# Altium PCB display.PcbDoc (part 2 of 5)
Units mm, origin at the board's own origin, x right, y up, seen from the top; angles counter-clockwise.
Board outline 150 x 85 mm, 4 copper layers (Component Side, Inner, GND1, Bottom Layer), stack 1.669 mm thick; 347 components, 347 nets, 1334 pads, 795 vias.
Unrouted connection lines stored in the file: 15.
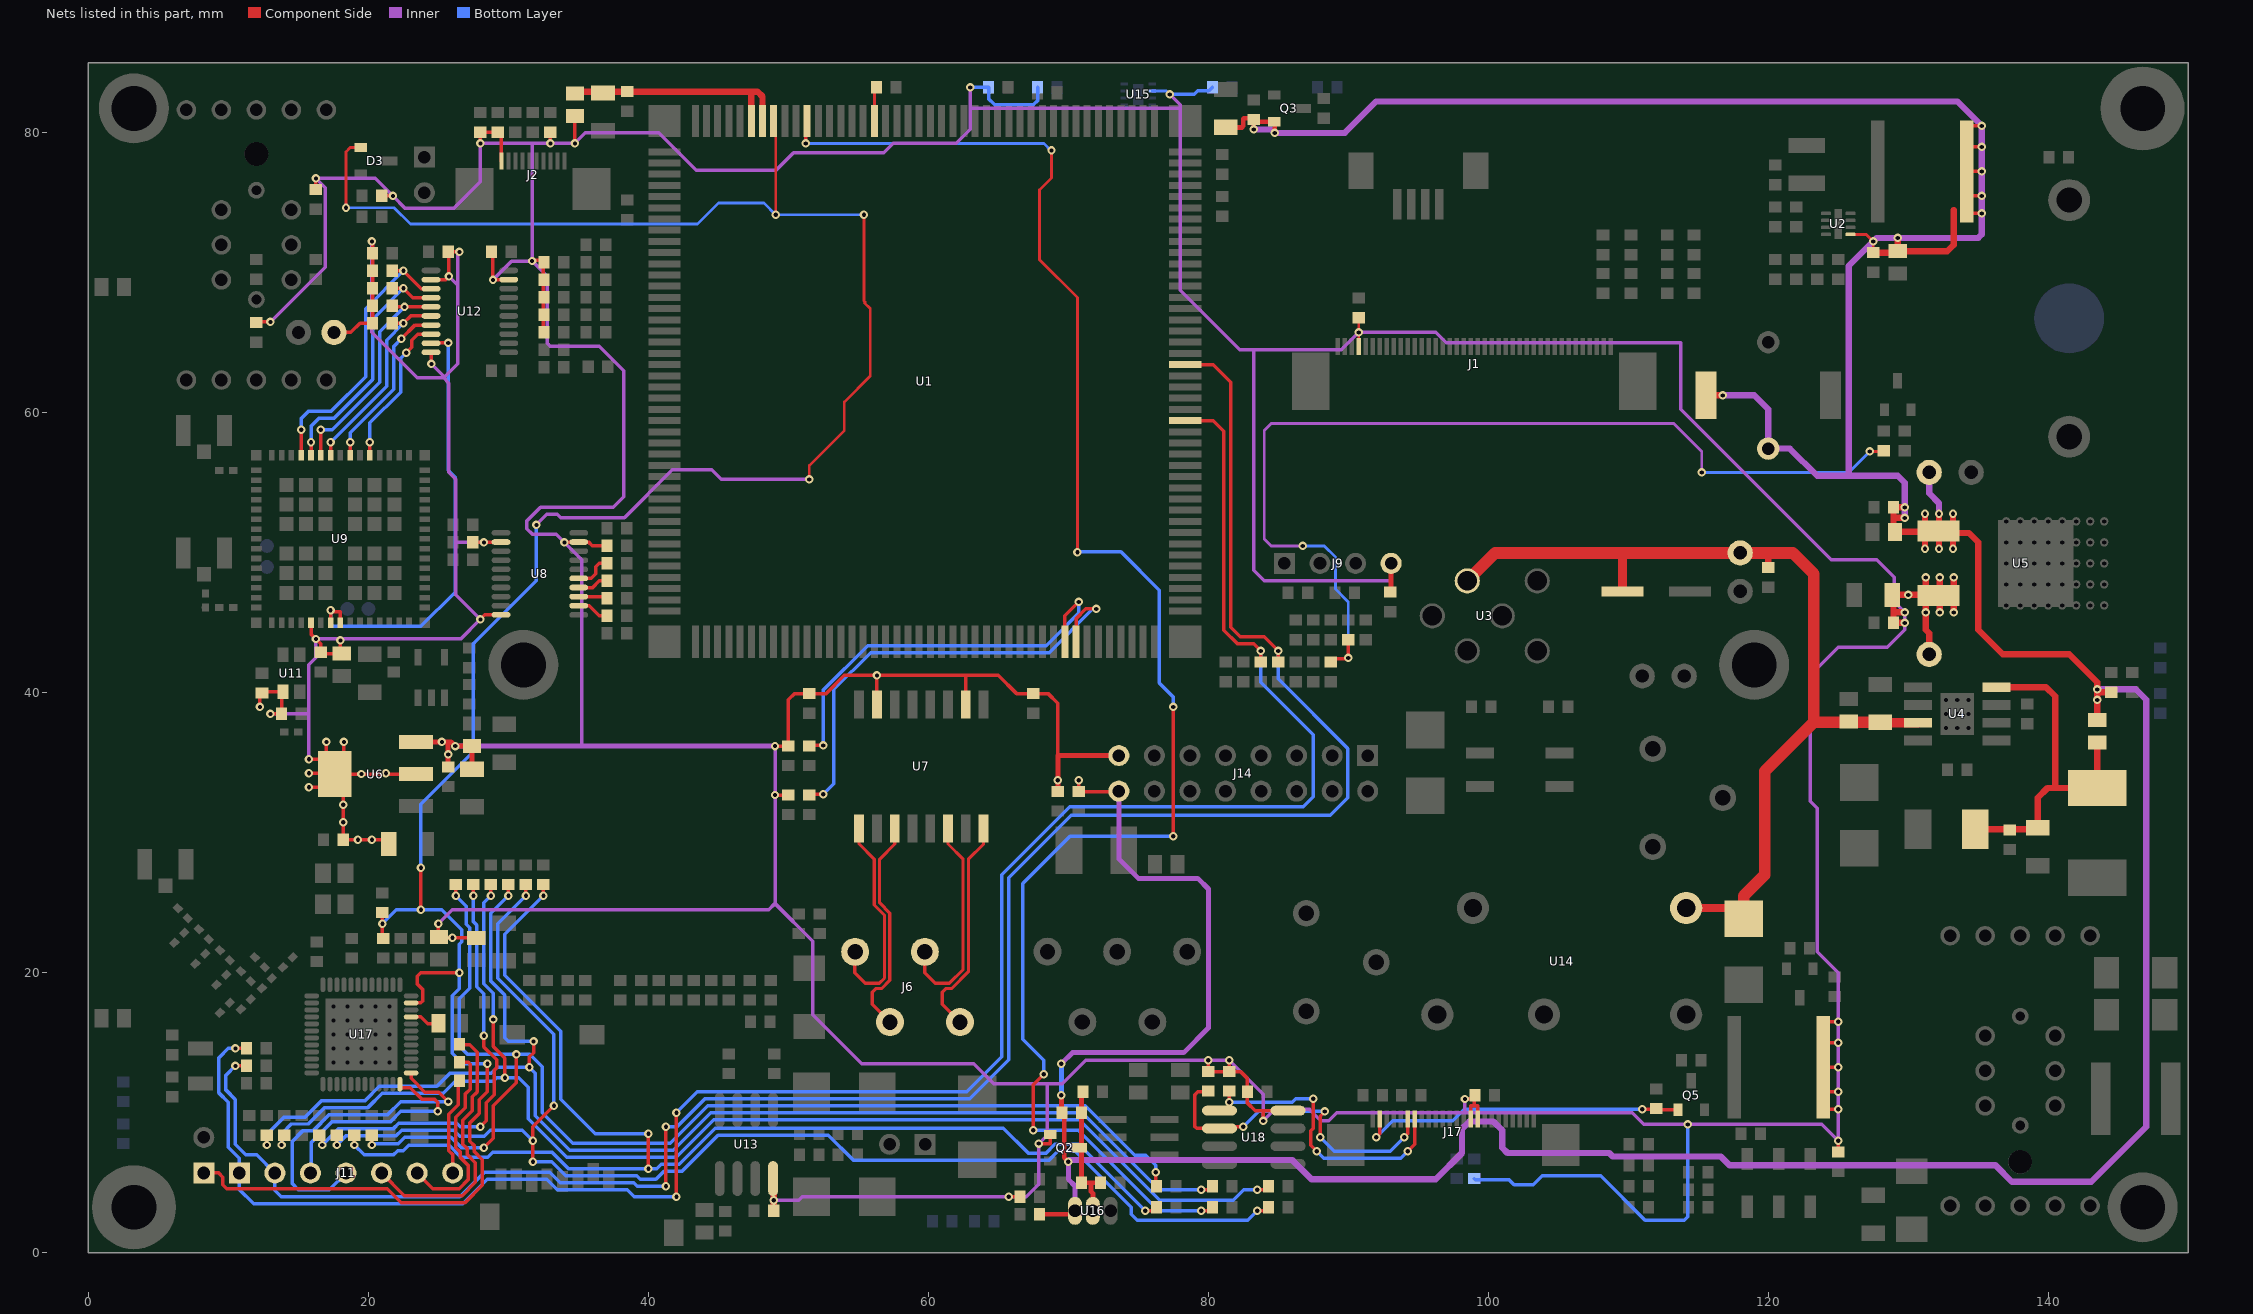
[diagram p4: the nets of this part, all layers, seen from the top]

## Footprints (in the part's own frame and the unit in brackets; to place one, negate y for a bottom-side part, rotate by r counter-clockwise, add the part's x,y. Pads: shape width x height; smd on the part's side, far side on the other; paste and mask are expansions set on the pad) (continued)
PQFN50P700X700X100-48N [mm] "PQFN, 48-Leads, Body 7,00x7,00mm, Pitch 0,50mm, IPC Medium Density"
  oval 1.05x0.35 smd: 1(-3.55,2.75) 2(-3.55,2.25) 3(-3.55,1.75) 4(-3.55,1.25) 5(-3.55,0.75) 6(-3.55,0.25) 7(-3.55,-0.25) 8(-3.55,-0.75) 9(-3.55,-1.25) 10(-3.55,-1.75) 11(-3.55,-2.25) 12(-3.55,-2.75) 25(3.55,-2.75) 26(3.55,-2.25) 27(3.55,-1.75) 28(3.55,-1.25) 29(3.55,-0.75) 30(3.55,-0.25) 31(3.55,0.25) 32(3.55,0.75) 33(3.55,1.25) 34(3.55,1.75) 35(3.55,2.25) 36(3.55,2.75)
  oval 0.35x1.05 smd: 13(-2.75,-3.55) 14(-2.25,-3.55) 15(-1.75,-3.55) 16(-1.25,-3.55) 17(-0.75,-3.55) 18(-0.25,-3.55) 19(0.25,-3.55) 20(0.75,-3.55) 21(1.25,-3.55) 22(1.75,-3.55) 23(2.25,-3.55) 24(2.75,-3.55) 37(2.75,3.55) 38(2.25,3.55) 39(1.75,3.55) 40(1.25,3.55) 41(0.75,3.55) 42(0.25,3.55) 43(-0.25,3.55) 44(-0.75,3.55) 45(-1.25,3.55) 46(-1.75,3.55) 47(-2.25,3.55) 48(-2.75,3.55)
  round 0.6 hole 0.3 mask-10: 49(-2,-2) 49(-2,-1) 49(-2,0) 49(-2,1) 49(-2,2) 49(-1,-2) 49(-1,-1) 49(-1,0) 49(-1,1) 49(-1,2) 49(0,-2) 49(0,-1) 49(0,0) 49(0,1) 49(0,2) 49(1,-2) 49(1,-1) 49(1,0) 49(1,1) 49(1,2) 49(2,-2) 49(2,-1) 49(2,0) 49(2,1) 49(2,2)
  rect 5.15x5.15 smd: 49(0,0)
  silkscreen extent -4.35,-3.57 3.57,3.58, body extent -3.58,-3.57 3.57,3.58, height 1
QFN_SFH7771 [mm]
  rect 0.55x0.2 smd: 1(-1,0.75) 2(-1,0.25) 3(-1,-0.25) 4(-1,-0.75) 5(1,-0.75) 6(1,-0.25) 7(1,0.25) 8(1,0.75)
  rect 0.75x1.5 smd: 9(0,0)
  silkscreen extent -1.6,-1.1 0.5,1.1, body extent -1.3,-0.9 1.3,0.9, height 1.1
RELAYS_SPDT_THD_20x10MM [mm]
  round 2.3 hole 1.3: COM(1.27,3.81) NC(6.35,-3.81) NO(8.89,3.81) T1(-8.89,3.81) T2(-8.89,-3.81)
  silkscreen extent -10.39,-5.31 10.41,5.31, body extent -10,-5 10,5, height 16
Rotary-push-button-481RV12172100 [mm] "20x20 mm illuminated THT Rotary Push button Switch"
  round 1.4 hole 0.9: C(-9.65,0) C(9.65,0) P1(-2.5,2.5) P2(0,2.5) P3(2.5,2.5) P4(-2.5,-2.5) P5(0,-2.5) P6(2.5,-2.5) R1(9.65,-2.5) R2(9.65,-5) R3(-9.65,-5) R4(-9.65,-2.5) R5(-9.65,2.5) R6(-9.65,5) R7(9.65,5) R8(9.65,2.5)
  round 1.2 hole 0.7: L1(-3.9,0) L2(3.9,0)
  round 1.7 hole 1.7 unplated: M1(6.5,0)
  silkscreen extent -10.8,-10.2 10.9,10.2, body extent -9.87,-10.2 9.88,10.2, height 14.5
SOD-123_K2-A1 [mm] "SOD-123; 2 Leads; Body 2.7 x 1.6 mm, (LxW)"
  rect 1.6x0.8 smd: 1(-1.7,0) 2(1.7,0)
  silkscreen extent -1.45,-0.85 1.45,0.85, body extent -1.85,-0.8 1.85,0.8, height 1.27
SOIC8 [mm] "SOIC, 8-Leads, Body 4.9x3.8mm, Pitch 1.27mm, IPC Low Density"
  oval 2.5x0.7 smd: 1(-2.45,1.905) 2(-2.45,0.635) 3(-2.45,-0.635) 4(-2.45,-1.905) 5(2.45,-1.905) 6(2.45,-0.635) 7(2.45,0.635) 8(2.45,1.905)
  silkscreen extent -0.8,-2.5 0.8,2.5, body extent -2,-2.5 2,2.5, height 1.75
SOIC8_PAD [mm] "SOIC, 8-Leads, Body 4.9x3.8mm, Pitch 1.27mm, IPC Low Density"
  rect 2x0.7 smd mask+0.05: 1(-2.8,1.905) 2(-2.8,0.635) 3(-2.8,-0.635) 4(-2.8,-1.905) 5(2.8,-1.905) 6(2.8,-0.635) 7(2.8,0.635) 8(2.8,1.905)
  round 0.4 / inner round 0.6 / far side round 0.6 hole 0.3 paste-10 mask-10: 9(-0.8,1) 9(-0.8,0) 9(-0.8,-1) 9(0,0) 9(0,1) 9(0,-1) 9(0.8,1) 9(0.8,0) 9(0.8,-1)
  rect 2.4x3 smd: 9(0,0)
  silkscreen extent -1.48,-2.75 1.53,2.8, body extent -2.98,-2.45 2.98,2.45, height 1.54
SOT-23 [mm] "SOT23, 3-Leads, Body 2.9x1.3mm, Pitch 0.95mm, Lead Span 2.5mm, IPC High Density"
  rect 0.9x0.65 smd: 1(-1.038,0.95) 2(-1.038,-0.95)
  rect 1.1x0.65 smd: 3(1.038,0)
  silkscreen extent -0.3,-1.6 0.7,1.6, body extent -1.2,-1.52 1.2,1.52, height 1.22
sot-23 [mm] "SOT23, 3-Leads, Body 2.9x1.3mm, Pitch 0.95mm, Lead Span 2.5mm, IPC High Density"
  rect 0.9x0.65 smd: 1(-1.038,0.95) 2(-1.038,-0.95)
  rect 1.1x0.65 smd: 3(1.038,0)
  silkscreen extent -0.3,-1.6 0.7,1.6, body extent -1.2,-1.52 1.2,1.52, height 1.22
SOT-23-5 [mm]
  rect 0.5x1.2 smd: 1(-0.95,-1.45) 2(0,-1.45) 3(0.95,-1.45) 4(0.95,1.45) 5(-0.95,1.45)
  silkscreen extent -1.5,-0.6 1.5,0.6, body extent -1.5,-1.5 1.5,1.5, height 1.35
SOT-223 [mm] "SOT223, 4-Leads, Body 6.5x3.5mm, Pitch 2.3mm, Lead Span 7mm, IPC Medium Density"
  rect 2.4x1 smd: 1(-2.9,2.3) 2(-2.9,0) 3(-2.9,-2.3)
  rect 2.4x3.3 smd: 4(2.9,0)
  silkscreen extent -1.25,-3.35 1.25,3.35, body extent -1.85,-3.35 1.85,3.35, height 1.8
TEST_POINT_SMD_D1MM [mm] "Test point D=1MM"
  round 1 smd paste-10: 1(0,0)
TEST_POINT_THD_D1.8MM [mm] "Test point D=1.6MM"
  round 1.8 hole 0.95 paste-10 mask+0.05: 1(0,0)
TO-92 [mm] "TO, Flat Index; 3 In-Line, Axial Leads; Body Dia. 4.5mm; Leads 0.51 x 0.48 mm (max)"
  oval 2x1 hole 0.9: 1(0,-1.27) 2(0,0) 3(0,1.27)
  silkscreen extent -2.48,-2.96 1.5,2.48, body extent -2.48,-2.5 1.5,2.5, height 6.86
TO-252_D2PAK_LARGEPAD [mm] "D2-PAK, 4-Leads, Body 8.8x10.4mm, Pitch 2.54mm, Lead Span 15.1mm, IPC High Density"
  rect 3x1.5 smd: 1(-5.437,2.3) 3(-5.437,-2.3)
  round 0.6 hole 0.3 paste-10 mask-10: 2(-0.612,-3) 2(-0.612,-1.5) 2(-0.612,0) 2(-0.612,1.5) 2(-0.612,3) 2(0.388,-3) 2(0.388,-1.5) 2(0.388,0) 2(0.388,1.5) 2(0.388,3) 2(1.388,-3) 2(1.388,-1.5) 2(1.388,0) 2(1.388,1.5) 2(1.388,3) 2(2.388,-3) 2(2.388,-1.5) 2(2.388,0) 2(2.388,1.5) 2(2.388,3) 2(3.388,-3) 2(3.388,-1.5) 2(3.388,0) 2(3.388,1.5) 2(3.388,3) 2(4.388,-3) 2(4.388,-1.5) 2(4.388,0) 2(4.388,1.5) 2(4.388,3) 2(5.388,-3) 2(5.388,-1.5) 2(5.388,0) 2(5.388,1.5) 2(5.388,3) 2(6.388,-3) 2(6.388,-1.5) 2(6.388,0) 2(6.388,1.5) 2(6.388,3)
  rect 5.4x6.2 smd: 2(1.513,0)
  Component Side region: -1.5,-4.75 8.75,-4.75 8.75,4.75 -1.5,4.75
  silkscreen extent -6.59,-4.2 4.9,4.2, body extent -5.75,-3.27 4.19,3.27, height 2.34
TSOC6 [mm] "TSOC, 6-Leads, Body 3.76x3.94mm, Pitch 1.27mm, Lead Span 0.81mm"
  rect 2x0.53 smd: 1(-1.86,1.27) 2(-1.86,0) 3(-1.86,-1.27) 4(1.86,-1.27) 5(1.86,0) 6(1.86,1.27)
  silkscreen extent -2.77,-2.2 2.2,2.2, body extent -2.22,-2.05 2.22,2.05, height 1.51
TSOP65P640X120-20L [mm] "TSOP, 20-Leads, Body 6,50x4,35mm, Pitch 0,65mm, IPC High Density"
  oval 1.35x0.4 smd: 1(-2.775,2.925) 2(-2.775,2.275) 3(-2.775,1.625) 4(-2.775,0.975) 5(-2.775,0.325) 6(-2.775,-0.325) 7(-2.775,-0.975) 8(-2.775,-1.625) 9(-2.775,-2.275) 10(-2.775,-2.925) 11(2.775,-2.925) 12(2.775,-2.275) 13(2.775,-1.625) 14(2.775,-0.975) 15(2.775,-0.325) 16(2.775,0.325) 17(2.775,0.975) 18(2.775,1.625) 19(2.775,2.275) 20(2.775,2.925)
  silkscreen extent -2.9,-3.3 1.7,3.8, body extent -2.1,-3.3 2.1,3.3, height 1.2
U.FL_COAXIAL_2.6x2.6MM_STRAIGHT_SMD [mm] "SMD, 3-Leads, Body 2.6x2.6mm (HRS-U.FL-R-SMT-1(10)_V)"
  rect 1.05x2.2 smd: 1(-1.475,0) 2(1.475,0)
  rect 1x1.05 smd: 3(0,-1.525)
  silkscreen extent -2.67,-0.12 0.55,1.3, body extent -1.3,-1.3 1.3,1.3, height 1.25
WE-LHMI_5020 [mm] "SMD Inductor, 2-Leads, Body 5.7x 5.2mm"
  rect 1.9x2.8 smd: 1(-2.05,0) 2(2.05,0)
  Keep-Out Layer lines w0.2: -0.75,-3.302 -0.75,3.302 0.75,3.302 0.75,-3.302 -0.75,-3.302
  silkscreen extent -3.55,-2.6 2.85,2.6, body extent -2.85,-2.6 2.85,2.6, height 1.8
WE-TPC-6823-X [mm] "SMD Inductor, 2-Leads, Body 6,8x6,8mm"
  rect 0.95x7.3 smd: 1(-3.175,0) 2(3.175,0)
  Component Side region: -2.7,-3.65 -1.05,-3.65 -1.05,-2.5 -1.45,-2.3 -1.65,-2.15 -1.9,-1.95 -2.2,-1.6 -2.35,-1.35 -2.45,-1.15 -2.65,-0.55 -2.7,0
  Component Side region: 2.7,-3.65 1.05,-3.65 1.05,-2.5 1.35,-2.35 1.7,-2.1 1.95,-1.9 2,-1.85 2.2,-1.6 2.35,-1.35 2.45,-1.15 2.55,-0.9 2.6,-0.7 2.65,-0.5 2.7,0
  Component Side region: 2.7,3.65 1.05,3.65 1.05,2.5 1.35,2.35 1.65,2.15 2,1.85 2.3,1.45 2.55,0.95 2.65,0.55 2.7,0
  Component Side region: -2.7,3.65 -1.05,3.65 -1.05,2.5 -1.45,2.3 -1.6,2.2 -1.9,1.95 -2.2,1.6 -2.4,1.25 -2.55,0.95 -2.6,0.75 -2.65,0.5 -2.7,0
  silkscreen extent -0.45,-3.5 0.45,3.5, body extent -3.4,-3.4 3.4,3.4, height 2.29
WL18XX_E-13.4X13.3-N100_0.75 [mm] "Wireless module texas wl18xx"
  rect 0.75x0.75 smd mask+0.03: 1(-6.025,-5.975) 17(6.025,-5.975) 33(6.025,5.975) 49(-6.025,5.975)
  rect 0.4x0.75 smd mask+0.03: 2(-4.9,-5.975) 3(-4.2,-5.975) 4(-3.5,-5.975) 5(-2.8,-5.975) 6(-2.1,-5.975) 7(-1.4,-5.975) 8(-0.7,-5.975) 9(0,-5.975) 10(0.7,-5.975) 11(1.4,-5.975) 12(2.1,-5.975) 13(2.8,-5.975) 14(3.5,-5.975) 15(4.2,-5.975) 16(4.9,-5.975) 34(4.9,5.975) 35(4.2,5.975) 36(3.5,5.975) 37(2.8,5.975) 38(2.1,5.975) 39(1.4,5.975) 40(0.7,5.975) 41(0,5.975) 42(-0.7,5.975) 43(-1.4,5.975) 44(-2.1,5.975) 45(-2.8,5.975) 46(-3.5,5.975) 47(-4.2,5.975) 48(-4.9,5.975)
  rect 0.75x0.4 smd mask+0.03: 18(6.025,-4.9) 19(6.025,-4.2) 20(6.025,-3.5) 21(6.025,-2.8) 22(6.025,-2.1) 23(6.025,-1.4) 24(6.025,-0.7) 25(6.025,0) 26(6.025,0.7) 27(6.025,1.4) 28(6.025,2.1) 29(6.025,2.8) 30(6.025,3.5) 31(6.025,4.2) 32(6.025,4.9) 50(-6.025,4.9) 51(-6.025,4.2) 52(-6.025,3.5) 53(-6.025,2.8) 54(-6.025,2.1) 55(-6.025,1.4) 56(-6.025,0.7) 57(-6.025,0) 58(-6.025,-0.7) 59(-6.025,-1.4) 60(-6.025,-2.1) 61(-6.025,-2.8) 62(-6.025,-3.5) 63(-6.025,-4.2) 64(-6.025,-4.9)
  rect 1x1 smd mask+0.03: GND(-3.85,3.85) GND(-3.85,-2.45) GND(-3.85,-1.05) GND(-3.85,1.05) GND(-3.85,2.45) GND(-3.85,-3.85) GND(-2.45,2.45) GND(-2.45,3.85) GND(-2.45,-1.05) GND(-2.45,1.05) GND(-2.45,-3.85) GND(-2.45,-2.45) GND(-1.05,3.85) GND(-1.05,2.45) GND(-1.05,1.05) GND(-1.05,-1.05) GND(-1.05,-2.45) GND(-1.05,-3.85) GND(1.05,3.85) GND(1.05,2.45) GND(1.05,1.05) GND(1.05,-1.05) GND(1.05,-2.45) GND(1.05,-3.85) GND(2.45,2.45) GND(2.45,3.85) GND(2.45,-1.05) GND(2.45,1.05) GND(2.45,-3.85) GND(2.45,-2.45) GND(3.85,3.85) GND(3.85,-2.45) GND(3.85,-1.05) GND(3.85,1.05) GND(3.85,2.45) GND(3.85,-3.85)
  silkscreen extent -7.1,-7.05 6.9,6.75, body extent -6.6,-6.55 6.7,6.55, height 2.1

## Part data
C1 C14 C18 C21 C26 C27 C49 C51: library part "Cap Pol1", "Ceramic X5R 25V", Published=8-Jun-2000, Publisher="Altium Limited", Revision="July-2002: Re-released for DXP Platform."
C2 C3 C4 C6 C7 C8 C9 C10 C12 C13 C16 C19 C22 C23 C24 C25 C28 C29 C30 C31 C33 C34 C35 C38 C39 C40 C43 C44 C45 C46 C47 C48 C50 C52 C53 C54 C55 C56 C57 C58 C59 C60 C61 C64 C71 C72 C73 C75 C76 C77 C78 C79 C80 C81 C82 C83 C84 C85 C86: library part Cap, "Ceramic X7R 50V", Published=8-Jun-2000, Publisher="Altium Limited"
  C2 C10 C12 C13 C16 C19 C22 C23 C24 C25 C28 C29 C30 C31 C45 C47 C48 C50 C52 C53 C54 C55 C56 C57 C58 C59 C60 C61 C64 C71 C72 C73: LatestRevisionDate=17-Jul-2002, LatestRevisionNote="Re-released for DXP Platform.", PackageDescription="Radial Cap, Thru-Hole; 2 Leads; 0.3 in Pin Spacing", PackageReference=RAD-0.3
  C3 C4 C6 C7 C8 C9 C33 C34 C35 C38 C39 C40 C43 C44 C46 C75 C76 C77 C78 C79 C80 C81 C82 C83 C84 C85 C86: Revision="July-2002: Re-released for DXP Platform."
C5: library part Cap, "Ceramic X7R, X5R 50V", Published=8-Jun-2000, Publisher="Altium Limited", Revision="July-2002: Re-released for DXP Platform."
C11: library part "Cap Pol1", "EEEFK1H101P SMT 6x6 35V", Published=8-Jun-2000, Publisher="Altium Limited", Revision="July-2002: Re-released for DXP Platform."
C15 C20: library part "Cap Pol1", "Ceramic X7R 50V", Published=8-Jun-2000, Publisher="Altium Limited", Revision="July-2002: Re-released for DXP Platform."
C17: library part "Cap Pol1", "Tantalum 10V (T495D107K010ATE100)", Published=8-Jun-2000, Publisher="Altium Limited", Revision="July-2002: Re-released for DXP Platform."
C32: library part cap_xy, "CER 250VAC X7R X1/Y1 (GA342DR7GF102KW)"
C36: library part Cap, "Ceramic X5R 25V", Published=8-Jun-2000, Publisher="Altium Limited", Revision="July-2002: Re-released for DXP Platform."
C37: library part Cap, "Ceramic X7R 10V", Published=8-Jun-2000, Publisher="Altium Limited", Revision="July-2002: Re-released for DXP Platform."
C41 C42: library part Cap, "Ceramic COG 50V", Published=8-Jun-2000, Publisher="Altium Limited", Revision="July-2002: Re-released for DXP Platform."
C62 C70: library part CAPACITOR, "CAPACITOR, CERAMIC C0G/NP0, 3.6pF, 50V, -0.25pF/+0.25pF, -55DEGC/+125DEGC, 0402, SMD", CURRENT=CIMAX, Dielectric Type=C0G/NP0, Manufacturer=MURATA, MAX_TEMP=CTMAX, Max Oper Temp=+125DEGC, Min Oper Temp=-55DEGC, MPN=GRM1555C1H3R6CA01D, MPN Status=ACTIVE, Part Number=02-07631, PCB Package=0402, PSpiceTemplate="C^@REFDES %1 %2 ?TOLERANCE|C^@REFDES| @VALUE ?IC/IC=@IC/ TC=@TC1,@TC2 ?TOLERANCE|\n.model C^@REFDES CAP C=1 DEV=@TOLERANCE%|", Rtd Voltage=50V, VOLTAGE=CMAX, AutoDoc File=https://notefied-dynamic-precision.com/DB/Apps/Desktop/Item/Object.aspx?id=113359, Budget Currency=EUR, Budget Price=0.006, BU Name="TEXAS INSTRUMENTS NORWAY", Capacitance=3.6pF, Country of Origin="MISSING INFO", Datasheet URL 1=http://psearch.murata.com/capacitor/product/GRM1555C1H3R6CA01%23.pdf, Datasheet URL 2=N/A, Definied Quality=INDUSTRIAL, DIST=FLAT, Esd Level=N/A, KNEE=CBMAX, Last Time Buy=N/A, Lead Time=12, LifeCycle Status=ACTIVE, Max Tol=+0.25pF, Min Tol=-0.25pF, Mounting Type=SMD, MSL=N/A, MTBF=N/A, MTBF Standard=N/A, NOTE Status=PREFERRED, Old Footprint=CAPC1005X60N, Packing Size=10000, Packing Type=TAPE_&_REEL, Part Type=CAPACITOR\CERAMIC\0402\STANDARD, Revision=R000, RoHS Status=ROHS_COMPLIANT, SLOPE=CSMAX, TC1=0, TC2=0, Vendor=MURATA, Vendor Part Number=GRM1555C1H3R6CA01D, Vendor Part Status=ACTIVE, WEIGHT=0.0016g
C63 C74: library part CAPACITOR, "Ceramic COG 50V", CURRENT=CIMAX, Dielectric Type=C0G/NP0, Manufacturer=MURATA, MAX_TEMP=CTMAX, Max Oper Temp=+125DEGC, Min Oper Temp=-55DEGC, MPN=GRM1555C1H101JA01D, MPN Status=ACTIVE, Part Number=02-07619, PCB Package=0402, PSpiceTemplate="C^@REFDES %1 %2 ?TOLERANCE|C^@REFDES| @VALUE ?IC/IC=@IC/ TC=@TC1,@TC2 ?TOLERANCE|\n.model C^@REFDES CAP C=1 DEV=@TOLERANCE%|", Rtd Voltage=50V, VOLTAGE=CMAX, AutoDoc File=https://notefied-dynamic-precision.com/DB/Apps/Desktop/Item/Object.aspx?id=113347, Budget Currency=EUR, Budget Price=0.004, BU Name="TEXAS INSTRUMENTS NORWAY", Capacitance=100pF, Country of Origin=CHINA,PHILIPPINES, Datasheet URL 1=http://psearch.murata.com/capacitor/product/GRM1555C1H101JA01%23.pdf, Datasheet URL 2=http://search.murata.co.jp/Ceramy/image/img/w_hinm/L0005E.pdf, Definied Quality=INDUSTRIAL, DIST=FLAT, Esd Level=N/A, KNEE=CBMAX, Last Time Buy=N/A, Lead Time=12, LifeCycle Status=ACTIVE, Max Tol=+5%, Min Tol=-5%, Mounting Type=SMD, MSL=1, MTBF=N/A, MTBF Standard=N/A, NOTE Status=PREFERRED, Old Footprint=CAPC1005X60N, Packing Size=10000, Packing Type=TAPE_&_REEL, Part Type=CAPACITOR\CERAMIC\0402\STANDARD, Revision=R000, RoHS Status=ROHS_COMPLIANT, SLOPE=CSMAX, TC1=0, TC2=0, Vendor=MURATA, Vendor Part Number=GRM1555C1H101JA01D, Vendor Part Status=ACTIVE, WEIGHT=0.0016g
C65 C69: library part cap_xy, "Ceramic 1nF 1808 250VAC X7R X1/Y1 (Murata GA342DR7GF102KW)"
C66: library part CAPACITOR, "CAPACITOR, CERAMIC C0G/NP0, 2.7pF, 50V, -0.25pF/+0.25pF, -55DEGC/+125DEGC, 0402, SMD", CURRENT=CIMAX, Dielectric Type=C0G/NP0, Manufacturer=MURATA, MAX_TEMP=CTMAX, Max Oper Temp=+125DEGC, Min Oper Temp=-55DEGC, MPN=GRM1555C1H2R7CA01D, MPN Status=ACTIVE, Part Number=02-07628, PCB Package=0402, PSpiceTemplate="C^@REFDES %1 %2 ?TOLERANCE|C^@REFDES| @VALUE ?IC/IC=@IC/ TC=@TC1,@TC2 ?TOLERANCE|\n.model C^@REFDES CAP C=1 DEV=@TOLERANCE%|", Rtd Voltage=50V, VOLTAGE=CMAX, AutoDoc File=https://notefied-dynamic-precision.com/DB/Apps/Desktop/Item/Object.aspx?id=113356, Budget Currency=EUR, Budget Price=0.007, BU Name="TEXAS INSTRUMENTS NORWAY", Capacitance=2.7pF, Country of Origin=PHILIPPINES, Datasheet URL 1=http://psearch.murata.com/capacitor/product/GRM1555C1H2R7CA01%23.pdf, Datasheet URL 2=http://search.murata.co.jp/Ceramy/image/img/w_hinm/L0005E.pdf, Definied Quality=INDUSTRIAL, DIST=FLAT, Esd Level=N/A, KNEE=CBMAX, Last Time Buy=N/A, Lead Time=12, LifeCycle Status=ACTIVE, Max Tol=+0.25pF, Min Tol=-0.25pF, Mounting Type=SMD, MSL=1, MTBF=N/A, MTBF Standard=N/A, NOTE Status=PREFERRED, Old Footprint=CAPC1005X60N, Packing Size=10000, Packing Type=TAPE_&_REEL, Part Type=CAPACITOR\CERAMIC\0402\STANDARD, Revision=R000, RoHS Status=ROHS_COMPLIANT, SLOPE=CSMAX, TC1=0, TC2=0, Vendor=MURATA, Vendor Part Number=GRM1555C1H2R7CA01D, Vendor Part Status=ACTIVE, WEIGHT=0.0016g
C67: library part CAPACITOR, "CAPACITOR, CERAMIC C0G/NP0, 6.2pF, 50V, -0.25pF/+0.25pF, -55DEGC/+125DEGC, 0402, SMD", CURRENT=CIMAX, Dielectric Type=C0G/NP0, Manufacturer=MURATA, MAX_TEMP=CTMAX, Max Oper Temp=+125DEGC, Min Oper Temp=-55DEGC, MPN=GRM1555C1H6R2CA01D, MPN Status=ACTIVE, Part Number=02-07626, PCB Package=0402, PSpiceTemplate="C^@REFDES %1 %2 ?TOLERANCE|C^@REFDES| @VALUE ?IC/IC=@IC/ TC=@TC1,@TC2 ?TOLERANCE|\n.model C^@REFDES CAP C=1 DEV=@TOLERANCE%|", Rtd Voltage=50V, VOLTAGE=CMAX, AutoDoc File=https://notefied-dynamic-precision.com/DB/Apps/Desktop/Item/Object.aspx?id=113354, Budget Currency=EUR, Budget Price=0.007, BU Name="TEXAS INSTRUMENTS NORWAY", Capacitance=6.2pF, Country of Origin=PHILIPPINES, Datasheet URL 1=http://psearch.murata.com/capacitor/product/GRM1555C1H6R2CA01%23.pdf, Datasheet URL 2=http://search.murata.co.jp/Ceramy/image/img/w_hinm/L0005E.pdf, Definied Quality=INDUSTRIAL, DIST=FLAT, Esd Level=N/A, KNEE=CBMAX, Last Time Buy=N/A, Lead Time=14, LifeCycle Status=ACTIVE, Max Tol=+0.25pF, Min Tol=-0.25pF, Mounting Type=SMD, MSL=1, MTBF=N/A, MTBF Standard=N/A, NOTE Status=PREFERRED, Old Footprint=CAPC1005X60N, Packing Size=10000, Packing Type=TAPE_&_REEL, Part Type=CAPACITOR\CERAMIC\0402\STANDARD, Revision=R000, RoHS Status=ROHS_COMPLIANT, SLOPE=CSMAX, TC1=0, TC2=0, Vendor=MURATA, Vendor Part Number=GRM1555C1H6R2CA01D, Vendor Part Status=ACTIVE, WEIGHT=0.0016g
C68: library part CAPACITOR, "CAPACITOR, CERAMIC C0G/NP0, 3pF, 50V, -0.25pF/+0.25pF, -55DEGC/+125DEGC, 0402, SMD", CURRENT=CIMAX, Dielectric Type=C0G/NP0, Manufacturer=MURATA, MAX_TEMP=CTMAX, Max Oper Temp=+125DEGC, Min Oper Temp=-55DEGC, MPN=GRM1555C1H3R0CA01D, MPN Status=ACTIVE, Part Number=02-07625, PCB Package=0402, PSpiceTemplate="C^@REFDES %1 %2 ?TOLERANCE|C^@REFDES| @VALUE ?IC/IC=@IC/ TC=@TC1,@TC2 ?TOLERANCE|\n.model C^@REFDES CAP C=1 DEV=@TOLERANCE%|", Rtd Voltage=50V, VOLTAGE=CMAX, AutoDoc File=https://notefied-dynamic-precision.com/DB/Apps/Desktop/Item/Object.aspx?id=113353, Budget Currency=EUR, Budget Price=0.006, BU Name="TEXAS INSTRUMENTS NORWAY", Capacitance=3pF, Country of Origin=PHILIPPINES, Datasheet URL 1=http://psearch.murata.com/capacitor/product/GRM1555C1H3R0CA01%23.pdf, Datasheet URL 2=http://search.murata.co.jp/Ceramy/image/img/w_hinm/L0005E.pdf, Definied Quality=INDUSTRIAL, DIST=FLAT, Esd Level=N/A, KNEE=CBMAX, Last Time Buy=N/A, Lead Time=16, LifeCycle Status=ACTIVE, Max Tol=+0.25pF, Min Tol=-0.25pF, Mounting Type=SMD, MSL=1, MTBF=N/A, MTBF Standard=N/A, NOTE Status=PREFERRED, Old Footprint=CAPC1005X60N, Packing Size=10000, Packing Type=TAPE_&_REEL, Part Type=CAPACITOR\CERAMIC\0402\STANDARD, Revision=R000, RoHS Status=ROHS_COMPLIANT, SLOPE=CSMAX, TC1=0, TC2=0, Vendor=MURATA, Vendor Part Number=GRM1555C1H3R0CA01D, Vendor Part Status=ACTIVE, WEIGHT=0.0016g
C87: library part C, "Ceramic X7R 50V"
C88: library part cap_xy, "Ceramic 250VAC X7R X1/Y1 (GA342DR7GF102KW)"
C89: library part cap_xy, "Ceramic 250VAC X7R X1/Y1 (GA355DR7GB103KY02L)"
D1: library part Diode_bridge2, "MBS4 (Farnell cod:4084985)"
D2: library part "D Zener", "TVS Monodirectional", LatestRevisionDate=17-Jul-2002, LatestRevisionNote="Re-released for DXP Platform.", PackageDescription="Diode, Thru-Hole; 2 Leads; 0.7 in Pin Spacing", PackageReference=DIODE-0.7, Published=8-Jun-2000, Publisher="Altium Limited"
D3: "SOT23"
D4 D5 D7: library part Diode_SCHOTTKY, "Schottky Diodes"
D6 D9 D10 D16 D17 D18 D19: library part LED0, "LED Green", LatestRevisionDate=08-Jul-2005, LatestRevisionNote="Mech Layer 1 removed.", PackageDescription="LED; 2 Leads", PackageReference=LED-0, Published=8-Jun-2000, Publisher="Altium Limited"
D11 D12 D13: library part "TVS bi", "TVS bidirectional"
D14: library part Diode, "S2B Diode"
D15: "ESD Protection Diode with Resistors", Farnell=2516827, Mouser=700-DS9503P+T&R
DZ1: library part "D Schottky", "Diode Schottky (STPS2L40U)", Code_JEDEC=DO-214-AA, LatestRevisionDate=17-Jul-2002, LatestRevisionNote="Re-released for DXP Platform.", PackageDescription="DO-214-AA/SMB; 2 C-Bend Leads; Body 5.3 x 3.6 mm, inc. leads (LxW)", PackageReference=SMB, Published=8-Jun-2000, Publisher="Altium Limited"
FU1: library part FuseAutoReset, "Fuse autoreset", Farnell=1652168, Mouser=652-MF-MSMF030-2
J1: library part "Header 40", "40-pin, 0.5mm, SMT, ZIF, Horizontal, Top Contact (WE 68714014022; Molex: 54104-4031)", LatestRevisionDate=17-Jul-2002, LatestRevisionNote="Re-released for DXP Platform.", Publisher="Altium Limited"
J2: library part "Header 10", "10-pin, 0.5mm, SMT, ZIF, Horizontal, Top Contact", LatestRevisionDate=17-Jul-2002, LatestRevisionNote="Re-released for DXP Platform.", Publisher="Altium Limited"
J3: library part Battery_holder_3002, "CR1612/1616/1620/1632 (3013, Keystone)"
J4 J5 J19: library part ANTENNA_3P_COAXIAL_CONNECTOR, "U.FL serias"
J6: library part "Header 4", "Header, 4-Pin", LatestRevisionDate=17-Jul-2002, LatestRevisionNote="Re-released for DXP Platform.", Publisher="Altium Limited"
J7: library part "Header 2", "Pin Header, 2.54mm, 1x2, 2pin", LatestRevisionDate=17-Jul-2002, LatestRevisionNote="Re-released for DXP Platform.", Publisher="Altium Limited"
J8 J13: library part "Header 3", "Terminal Block, 3.5mm, 3p, screew less", LatestRevisionDate=17-Jul-2002, LatestRevisionNote="Re-released for DXP Platform.", Publisher="Altium Limited"
J9: library part "Header 4", "Pin Header, 4pin, 4x1, 2.54mm, THD", LatestRevisionDate=17-Jul-2002, LatestRevisionNote="Re-released for DXP Platform.", Publisher="Altium Limited"
J10 J16: library part "Header 2", "Pin Header, 2pin, 1x2, 2.54mm, THD", LatestRevisionDate=17-Jul-2002, LatestRevisionNote="Re-released for DXP Platform.", Publisher="Altium Limited"
J11: library part "Header 7", "Header, 7-Pin", LatestRevisionDate=17-Jul-2002, LatestRevisionNote="Re-released for DXP Platform.", Publisher="Altium Limited"
J12: library part "Header 5", "Terminal Block, 2.5mm, 5p (Wago 250-405)", LatestRevisionDate=17-Jul-2002, LatestRevisionNote="Re-released for DXP Platform.", Publisher="Altium Limited"
J14: library part "Header 8X2", "Header, 8-Pin, Dual row", LatestRevisionDate=17-Jul-2002, LatestRevisionNote="Re-released for DXP Platform.", Publisher="Altium Limited"
J15: library part micro_sd_holde, "WR-CRD Micro SD_Push and Push (693071010811)", Manufacturer="Würth Elektronik eiSos GmbH", partNo=693071010811, ComponentLink1 Description=Manufacturer, ComponentLink1URL=http://www.we-online.de, ComponentLink2 Description=Datasheet, ComponentLink2URL=http://katalog.we-online.de/em/datasheet/693071010811.pdf, Created by="Karrer Zheng", Created Date=10/10/2014, NoPins=8
J17: library part e-paper_display_waveshare, "e-paper display wave share"
J18: library part "Header 4", "Zip FCC connector", LatestRevisionDate=17-Jul-2002, LatestRevisionNote="Re-released for DXP Platform.", Publisher="Altium Limited"
L1 L4 L6 L7 L10 L11 L12 L13 L14 L15: library part Inductor, "WE 742792022"
  L11 L12 L13: Code_IEC=1005, Code_JEITA=0402, LatestRevisionDate=29-May-2009, LatestRevisionNote="IPC-7351 Footprint Added.", PackageDescription="Chip Inductor", PackageReference=0402-A, Published=8-Jun-2000, Publisher="Altium Limited"
L2 L5: library part Inductor, "Power Inductor"
L3: library part Inductor, "SMD Shielded Tiny Power Inductor", Code_IEC=1005, Code_JEITA=0402, LatestRevisionDate=29-May-2009, LatestRevisionNote="IPC-7351 Footprint Added.", PackageDescription="Chip Inductor", PackageReference=0402-A, Published=8-Jun-2000, Publisher="Altium Limited"
L9: library part "BEAD_ FERRITE", "WE 742792022"
L16: library part Inductor, "Inductor WE 742792022"
L17 L21: library part INDUCTOR, "INDUCTOR, RF, CHIP, NON-MAGNETIC CORE, 7.5nH, -5%/+5%, 0.3A, -55DEGC/+125DEGC, 0402, SMD", CURRENT=LMAX, DIELECTRIC=DSMAX, Frequency=4.2GHz, Max Oper Temp=+125DEGC, Min Oper Temp=-55DEGC, Part Number=03-07533, PCB Package=0402, PSpiceTemplate="L^@REFDES %1 %2 ?TOLERANCE|L^@REFDES| @VALUE ?IC/IC=@IC/ ?TOLERANCE|\n.model l^@REFDES IND L=1 DEV=@TOLERANCE%|", Resistance=0.24, Rtd Current=0.3A, Vendor Part Number=LQG15HS7N5J02D, AutoDoc File=https://notefied-dynamic-precision.com/DB/Apps/Desktop/Item/Object.aspx?id=113370, Budget Currency=EUR, Budget Price=0.03, BU Name="TEXAS INSTRUMENTS NORWAY", Core Material=NON-MAGNETIC, Country of Origin="MISSING INFO", Datasheet URL 1=http://psearch.murata.com/inductor/product/LQG15HS7N5J02%23.pdf, Datasheet URL 2=N/A, DIST=FLAT, Inductance=7.5nH, Last Time Buy=N/A, Lead Time=10, Max Tol=+5%, Min Tol=-5%, Mounting Type=SMD, Packing Size=10000, Packing Type=TAPE_&_REEL, Part Type=INDUCTOR\RF\CHIP\0402, Revision=R000, RoHS Status=ROHS_COMPLIANT, Vendor=MURATA, Vendor Part Status=ACTIVE, WEIGHT=0.001g
L18 L19: library part INDUCTOR, "INDUCTOR, RF, CHIP, NON-MAGNETIC CORE, 6.8nH, -5%/+5%, 0.3A, -55DEGC/+125DEGC, 0402, SMD", CURRENT=LMAX, DIELECTRIC=DSMAX, Frequency=4.5GHz, Manufacturer=MURATA, Max Oper Temp=+125DEGC, Min Oper Temp=-55DEGC, MPN=LQG15HS6N8J02D, MPN Status=ACTIVE, Part Number=03-07532, PCB Package=0402, PSpiceTemplate="L^@REFDES %1 %2 ?TOLERANCE|L^@REFDES| @VALUE ?IC/IC=@IC/ ?TOLERANCE|\n.model l^@REFDES IND L=1 DEV=@TOLERANCE%|", Resistance=0.24, Rtd Current=0.3A, AutoDoc File=https://notefied-dynamic-precision.com/DB/Apps/Desktop/Item/Object.aspx?id=113369, Budget Currency=EUR, Budget Price=0.03, BU Name="TEXAS INSTRUMENTS NORWAY", Core Material=NON-MAGNETIC, Country of Origin=JAPAN,SINGAPORE, Datasheet URL 1=http://psearch.murata.com/inductor/product/LQG15HS6N8J02%23.pdf, Datasheet URL 2=N/A, Definied Quality=INDUSTRIAL, DIST=FLAT, Esd Level=N/A, Inductance=6.8nH, Last Time Buy=N/A, Lead Time=9, LifeCycle Status=ACTIVE, Max Tol=+5%, Min Tol=-5%, Mounting Type=SMD, MSL=N/A, MTBF=N/A, MTBF Standard=N/A, NOTE Status=PREFERRED, Old Footprint=INDC1005X60N, Packing Size=10000, Packing Type=TAPE_&_REEL, Part Type=INDUCTOR\RF\CHIP\0402, Revision=R000, RoHS Status=ROHS_COMPLIANT, Vendor=MURATA, Vendor Part Number=LQG15HS6N8J02D, Vendor Part Status=ACTIVE, WEIGHT=0.001g
L20: library part INDUCTOR, "INDUCTOR, RF, CHIP, NON-MAGNETIC CORE, 27nH, -5%/+5%, 0.3A, -55DEGC/+125DEGC, 0402, SMD", CURRENT=LMAX, DIELECTRIC=DSMAX, Frequency=1700MHz, Manufacturer=MURATA, Max Oper Temp=+125DEGC, Min Oper Temp=-55DEGC, MPN=LQG15HS27NJ02D, MPN Status=ACTIVE, Part Number=03-07528, PCB Package=0402, PSpiceTemplate="L^@REFDES %1 %2 ?TOLERANCE|L^@REFDES| @VALUE ?IC/IC=@IC/ ?TOLERANCE|\n.model l^@REFDES IND L=1 DEV=@TOLERANCE%|", Resistance=0.46, Rtd Current=0.3A, AutoDoc File=https://notefied-dynamic-precision.com/DB/Apps/Desktop/Item/Object.aspx?id=113365, Budget Currency=EUR, Budget Price=0.03, BU Name="TEXAS INSTRUMENTS NORWAY", Core Material=NON-MAGNETIC, Country of Origin=JAPAN,SINGAPORE, Datasheet URL 1=http://psearch.murata.com/inductor/product/LQG15HS27NJ02%23.pdf, Datasheet URL 2=N/A, Definied Quality=INDUSTRIAL, DIST=FLAT, Esd Level=N/A, Inductance=27nH, Last Time Buy=N/A, Lead Time=9, LifeCycle Status=ACTIVE, Max Tol=+5%, Min Tol=-5%, Mounting Type=SMD, MSL=N/A, MTBF=N/A, MTBF Standard=N/A, NOTE Status=PREFERRED, Old Footprint=INDC1005X60N, Packing Size=10000, Packing Type=TAPE_&_REEL, Part Type=INDUCTOR\RF\CHIP\0402, Revision=R000, RoHS Status=ROHS_COMPLIANT, Vendor=MURATA, Vendor Part Number=LQG15HS27NJ02D, Vendor Part Status=ACTIVE, WEIGHT=0.001g
Q1: "NPN General-purpose Transistor", ComponentLink1Description="Manufacturer Link", ComponentLink1URL=http://www.semiconductors.philips.com/, ComponentLink2Description=Datasheet, ComponentLink2URL=http://www.semiconductors.philips.com/acrobat/datasheets/BC817_BC817W_BC337_5.pdf, DatasheetVersion=Jun-1999, LatestRevisionDate=12-Dec-2006, LatestRevisionNote="IPC-7351 Footprint Added.", PackageDescription="3-Pin SOT-23 Package 0.95 mm Pitch, 2.3 mm Lead Span", PackageReference=SOT23, PackageVersion=May-1999, Published=17-Sep-2003, Publisher="Altium Limited"
Q2: library part "MOSFET-N 3pin", "N MOS"
Q3: library part "MOSFET-P 3pin", "MOSFET channel P"
Q4: "BJT NPN"
Q5: library part "MOSFET-N 3pin", "MOSFET Channl N"
R1 R3 R4 R5 R6 R7 R8 R9 R10 R11 R12 R13 R14 R15 R16 R17 R18 R19 R20 R21 R22 R23 R24 R25 R26 R27 R28 R29 R30 R31 R32 R33 R34 R35 R36 R37 R38 R39 R40 R41 R42 R43 R44 R45 R46 R47 R48 R49 R50 R51 R52 R53 R54 R55 R56 R57 R58 R59 R60 R61 R62 R63 R64 R65 R66 R67 R68 R69 R70 R71 R72 R73 R74 R75 R76 R77 R78 R79 R80 R81 R82 R83 R84 R85 R86 R87 R88 R89 R90 R91 R92 R93 R94 R95 R96 R97 R98 R99 R100 R101 R102 R103 R104 R105 R106 R107 R108 R109 R110 R111 R112 R113 R114 R115 R116 R117 R118 R119 R120 R121 R122 R123 R124 R125 R126 R127 R130 R131 R132 R133 R134 R135 R136 R137 R138 R139 R140 R142 R143 R144 R145 R146 R147 R148 R149 R150 R151 R152 R153 R154 R159: library part Res1, "Resistor"
  R3 R4 R5 R6 R7 R8 R9 R10 R11 R12 R13 R14 R15 R16 R17 R18 R19 R20 R22 R23 R24 R26 R31 R32 R33 R34 R35 R36 R37 R38 R39 R40 R41 R42 R43 R44 R45 R46 R47 R48 R49 R50 R51 R52 R53 R54 R55 R56 R57 R58 R59 R60 R61 R62 R63 R65 R68 R69 R70 R74 R75 R80 R81 R88 R89 R90 R91 R92 R93 R95 R97 R98 R99 R100 R108 R109 R114 R115 R126 R127 R130 R131 R132 R133 R134 R135 R136 R137 R138 R139 R140 R142 R143 R144 R145 R146 R147 R148 R149 R150 R151 R152 R153 R154 R159: Published=8-Jun-2000, Publisher="Altium Limited", Revision="July-2002: Re-released for DXP Platform."
  R27: Revision="July-2002: Re-released for DXP Platform."
  R30: LatestRevisionDate=17-Jul-2002, LatestRevisionNote="Re-released for DXP Platform.", PackageDescription="Axial Device, Thru-Hole; 2 Leads; 0.3 in Pin Spacing", PackageReference=AXIAL-0.3, Published=8-Jun-2000, Publisher="Altium Limited"
R2: library part Res1, "Resistor 0.125W", Published=8-Jun-2000, Publisher="Altium Limited", Revision="July-2002: Re-released for DXP Platform."
S2 S3: library part Rotary-push-button-481RV12172100, "WS-RPTL 20x20 mm illuminated THT Rotary Push button Switch", Emitting Color="Red & Bright green", ComponentLink1Description=Manufacturer, ComponentLink1URL=http://www.we-online.de, ComponentLink2Description=Datasheet, ComponentLink2URL=http://katalog.we-online.de/em/datasheet/481RV12172100.pdf, Part Number=481RV12172100, Published Date="June 2017", Publisher="Wurth Elektronik"
Tp1 Tp2 Tp3 Tp4 Tp5 Tp6 Tp7 Tp8 Tp9 Tp11 Tp12 Tp13 Tp14: library part Test_point, "Test point"
U1: library part develboard_pinout, "Faster Little Linux Module", Company="Develer srl", Family=BLUE, Order Code=DBB256R512F-R4, Publish date=26/10/2015, Symbol version=rev.0
U2: library part LT3591, "White LED Driver with Integrated Schottky"
U3: library part BNX002, "EMI Filter DC power line"
U4: library part LM22670MR-ADJ, "Power switch"
U5: "Very Low Drop Linear regulator 3.3V (BA33BC0FP-E2; MIC2940A-3.3WU)"
U6: library part LM317AEMP, "LDO, Fixed Vout = 1.8V", Manufacturer="National Semiconductor", PackageTopMarking=XYTT*N07A, PowerWise=N, Supplier Part Number 1=9779272RL, Code_IPC=SOT223-4, Code_JEDEC=TO-261-AA, ComponentLink1Description="LM317 Datasheet", ComponentLink1URL=http://www.national.com/ds/LM/LM317.pdf, ComponentLink2Description="LM317 Web Page", ComponentLink2URL=http://www.national.com/pf/LM/LM317.html, ComponentLink3Description="MP04A Package Page", ComponentLink3URL=http://www.national.com/packaging/folders/mp04a.html, CompType="LDO IC", DatasheetVersion=Apr-2007, PackageDescription="Molded SOT-223, 6.50 x 3.56 x 1.6mm Body, 4 Lead, 2.3mm Pitch", PackageReference=MP04A, PackageVersion="revB, Apr-2003", PartNumber=LM317AEMP, PinCount=4, Published=4-Dec-2008, Publisher="Altium Limited", RoHS=N, Supplier 1=Farnell, Supplier 2=Farnell, Supplier Part Number 2=9779272
U7: library part LAN-TR-WE7490100111A, "Lan transformer (WE 7490100111A (side A); WE 7490100161A (side B))"
U8 U12: "8-bit bidirectional level translator"
U9: "Wifi & Bluethoot module"
U10: "Power Load Switch"
U11: library part Si501/2/3_32768Hz, "32.768kHz Oscillator (EPSON  X1B0002110001 SG-3030CM)"
U13: "3.3V to RS485 interface"
U14: library part "Relay SPCO", "Relays SPCO, Coil 12V, 250Vac (Omron G5SB)", Farnell=2213814
U15: "OSRAM Integrated Ambient Light and Proximity Sensors"
U16: "1-Wire temperature sensor."
U17: library part CC1310F128RGZT_VQFN48, "Texas CC1310 RF Cpu", CLASS=IC, Design_Date=2015-11-27, Designed_By="Artur Bielinski", SPLIT_INST=TRUE, SWAP_INFO=(S1+S2)
U18: "IC LM75BIM-3.0"
U19: library part ANTENNA_PCB_IFA, "PCB Antenna"